# Altium PCB MARLIN.PcbDoc (part 3 of 3)
Units mil, origin at the board's own origin, x right, y up, seen from the top; angles counter-clockwise.
Board outline 6825 x 4695 mil, 2 copper layers (Top Layer, Bottom Layer); 246 components, 209 nets, 796 pads, 202 vias.
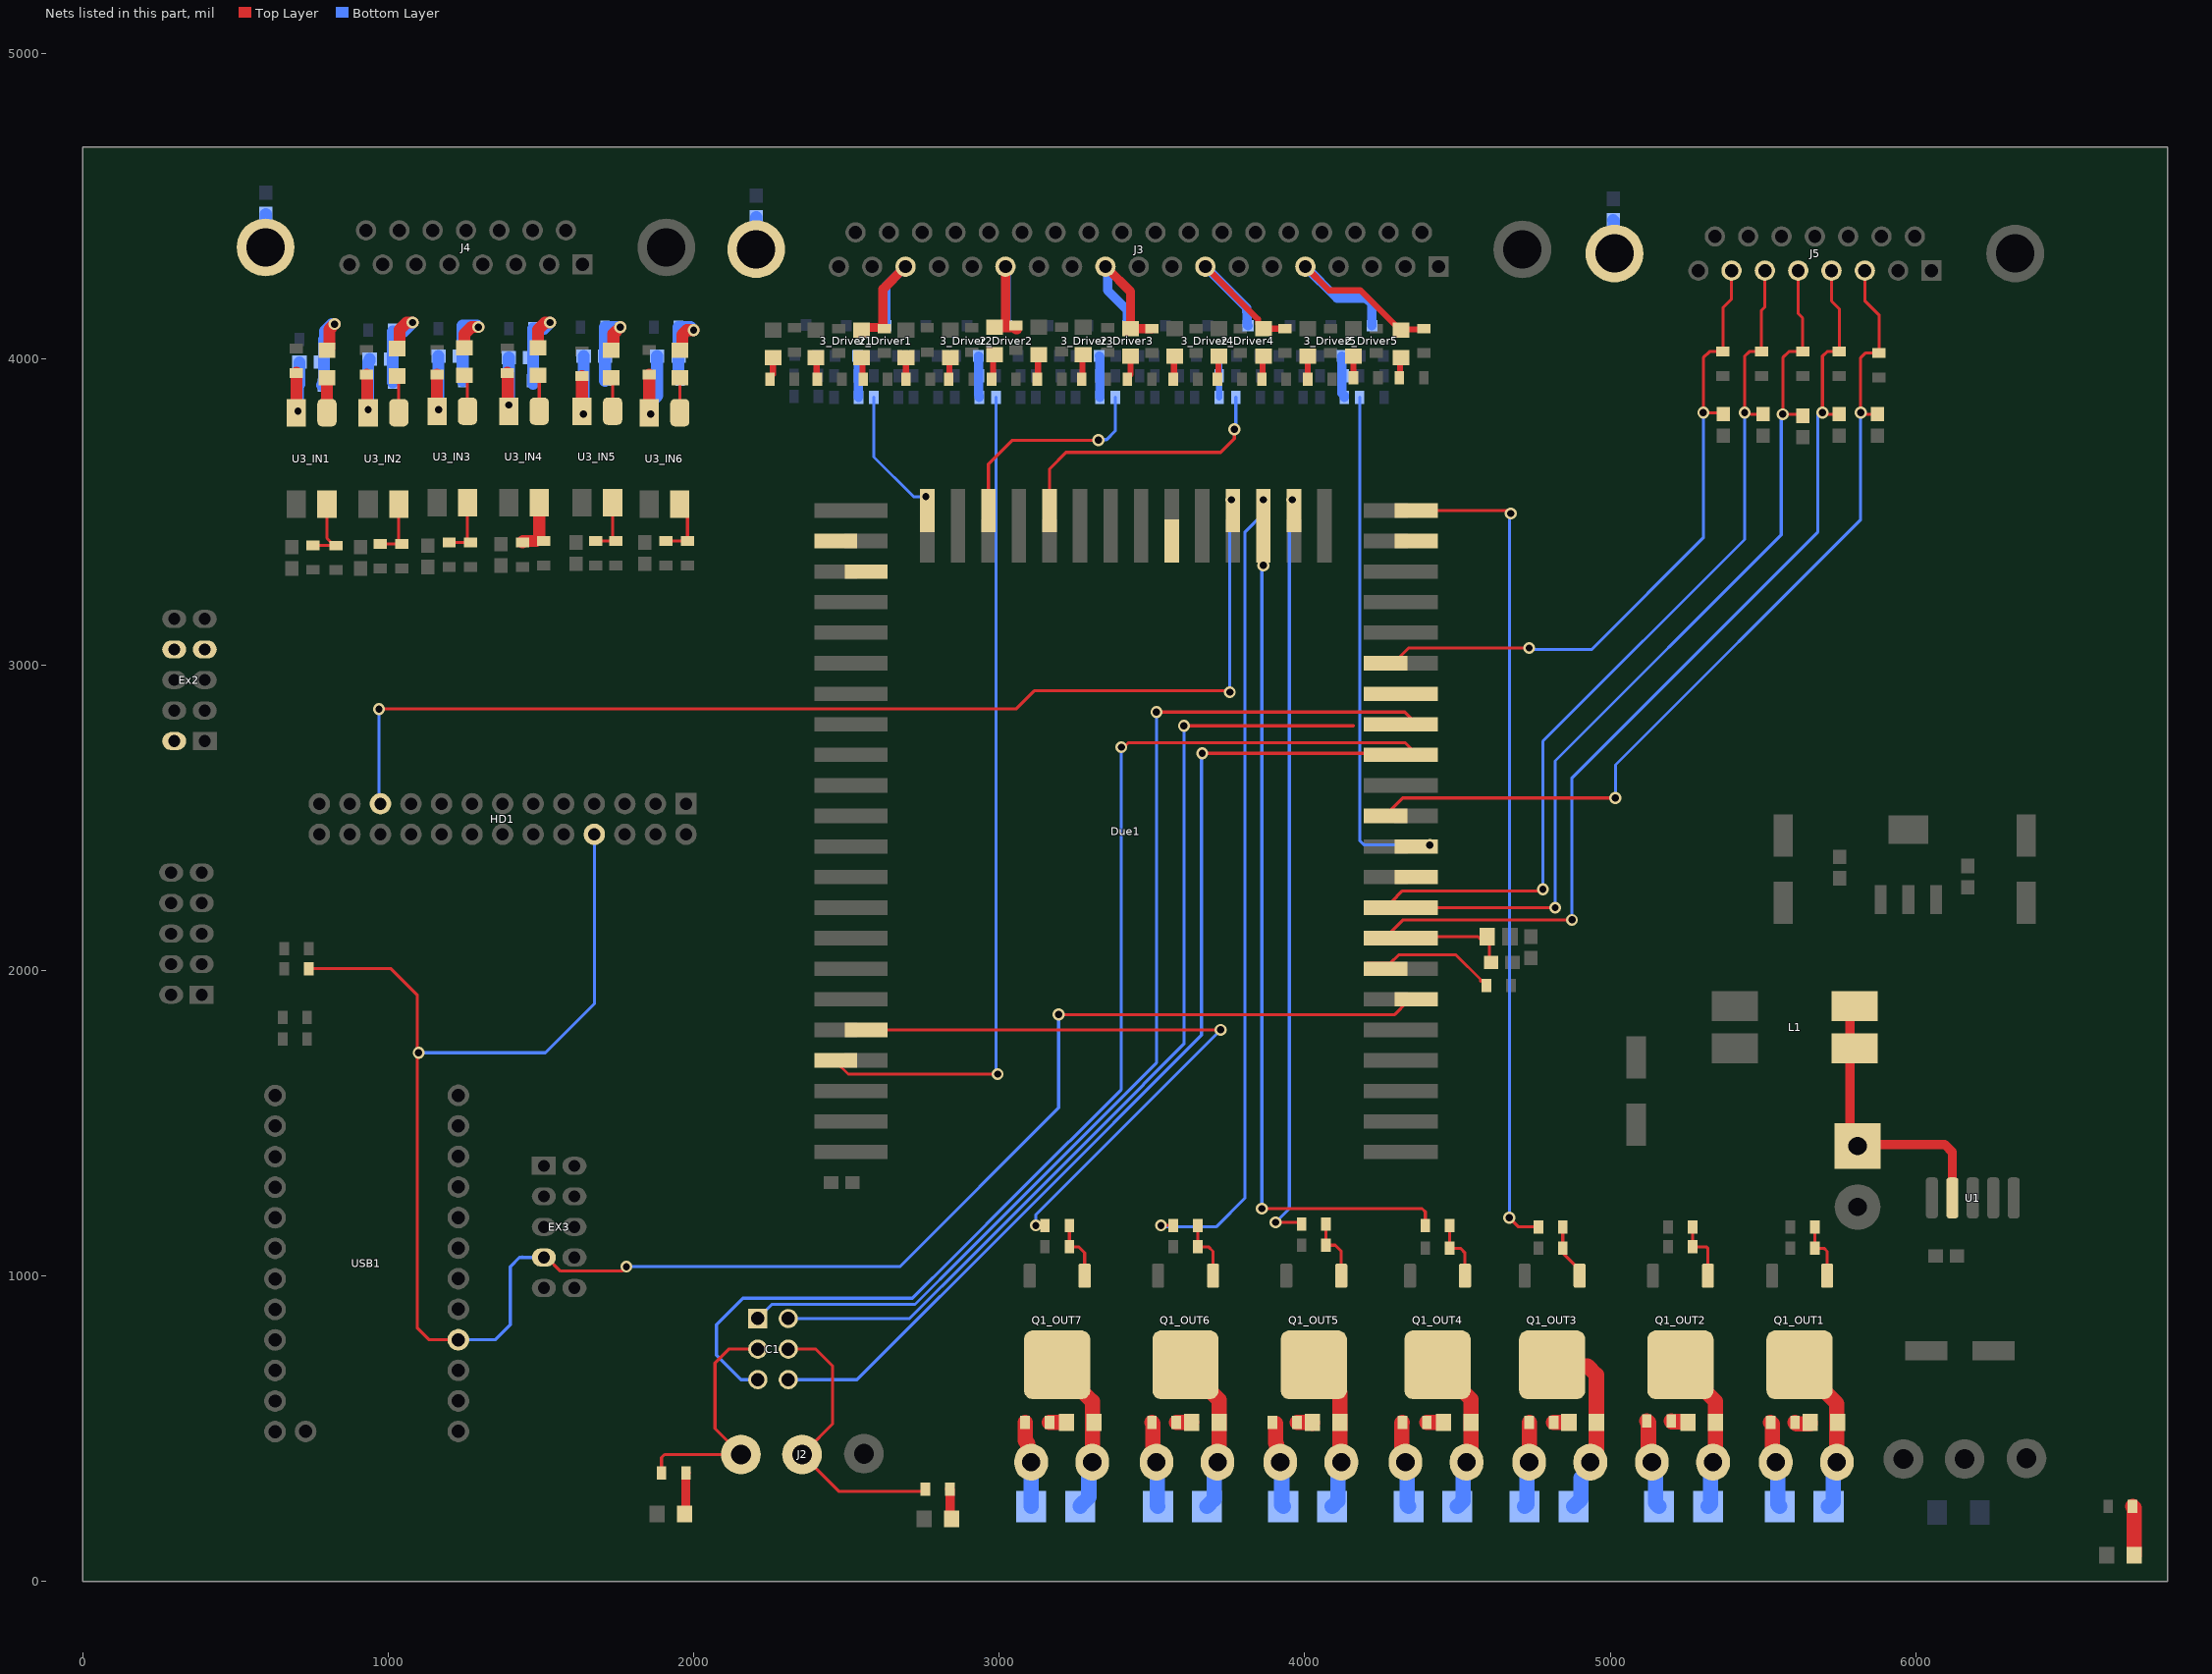
[diagram p3: the nets of this part, all layers, seen from the top]

## Via types
v1: diameter 39.37, hole 23.62, Top Layer to Bottom Layer, 197 vias
v2: diameter 236.22, hole 157.48, Top Layer to Bottom Layer, tented both sides, 4 vias
v3: diameter 50, hole 28, Top Layer to Bottom Layer, 1 vias

## Nets (pads, with @x,y where several pads share a name; then routed paths per layer and width w, separated by ;. In a path a pad name is that pad's centre, name@x,y a point inside that pad or via, vN(x,y) a via of type N, cw(c..) or ccw(c..) an arc to the next point about the centre after c; other vN are vias at no path point) (continued)
Net3_Driver1_G: 3_Driver1.G R32_Driver1.1 R38_Driver1.2 | length 136.9
  Bottom Layer w30: 3_Driver1.G@2537.4,4010.79 2539.25,4008.94 2539.25,3875.75 R38_Driver1.2@2540,3875
Net3_Driver2_G: 3_Driver2.G R32_Driver2.1 R38_Driver2.2 | length 136.9
  Bottom Layer w30: 3_Driver2.G@2932.4,4010.79 2932.4,3883.5 2935,3880.91 R38_Driver2.2@2935,3875
Net3_Driver3_G: 3_Driver3.G R32_Driver3.1 R38_Driver3.2 | length 136.9
  Bottom Layer w30: 3_Driver3.G@3327.4,4010.79 3329.25,4008.94 3329.25,3875.75 R38_Driver3.2@3330,3875
Net3_Driver4_G: 3_Driver4.G R32_Driver4.1 R38_Driver4.2 | length 135.8
  Bottom Layer w20: R38_Driver4.2@3720,3875 R32_Driver4.1@3720,3945 3_Driver4.G@3720,4010.79
Net3_Driver5_G: 3_Driver5.G R32_Driver5.1 R38_Driver5.2 | length 138.9
  Bottom Layer w30: 3_Driver5.G@4122.4,4010.79 4122.4,3888.5 4130,3880.91 R38_Driver5.2@4130,3875
NetC7_2: C7.2 Due1.16 FB1.2 | length 284.8
  Top Layer w10: Due1.16@4365,2105 4370,2110 4567.6,2110 FB1.2@4575,2102.6 ; FB1.2@4597.6,2110 4605,2102.6 C7.2@4605,2043.39
NetC12_2: C12.2 J3.39 | length 105
  Bottom Layer w39.37: J3.39@2204.89,4360.08 J3.39@2204.89,4360.08 2204.94,4464.94 C12.2@2205,4465
NetC13_1: C13.1 J4.17 | length 109.4
  Bottom Layer w39.37: J4.17@599.09,4365.98 599.55,4366.44 599.55,4474.55 C13.1@600,4475
NetC14_2: C14.2 J5.17 | length 110.7
  Bottom Layer w39.37: C14.2@5010,4455 5011.97,4453.03 5011.97,4348.11 J5.17@5014.09,4345.98
NetC26_IN1_1: C26_IN1.1 R20_IN1.2 R21_IN1.2 U3_IN1.2 | length 300.3
  Top Layer w39.37: R21_IN1.2@700,3955 U3_IN1.2@700,3825 v1(705,3830)
  Bottom Layer w39.37: v1(705,3830) R20_IN1.2@705,3915 706.97,3915 710,3918.03 C26_IN1.1@710,3990
NetC26_IN1_2: C26_IN1.2 LED5_IN1.1 R19_IN1.2 R20_IN1.1 | length 320.5
  Top Layer w39.37: LED5_IN1.1@799.79,4030 802.29,4030 807.61,4035.31 807.61,4097.61 v1(825,4115)
  Bottom Layer w39.37: R20_IN1.1@785,3915 786.97,3915 790,3918.03 R19_IN1.2@790,4065 791.97,4065 793.94,4066.97 793.94,4091.94 817,4115 v1(825,4115)
NetC26_IN2_1: C26_IN2.1 R20_IN2.2 R21_IN2.2 U3_IN2.2 | length 294.1
  Top Layer w39.37: R21_IN2.2@930,3950 931.97,3948.03 931.97,3828.03 U3_IN2.2@935,3825
  Bottom Layer w39.37: v1(935,3835) R20_IN2.2@935,3925 935,3990 940,3995 C26_IN2.1@940,4000
NetC26_IN2_2: C26_IN2.2 LED5_IN2.1 R19_IN2.2 R20_IN2.1 | length 360.8
  Top Layer w39.37: LED5_IN2.1@1030,4035 1035,4040 1037.5,4040 1037.81,4040.31 1037.81,4096.94 1060.88,4120 v1(1080,4120)
  Bottom Layer w39.37: R20_IN2.1@1015,3925 1015,4090 1050,4090 v1(1080,4120)
NetC26_IN3_1: C26_IN3.1 R20_IN3.2 R21_IN3.2 U3_IN3.2 | length 302.1
  Top Layer w39.37: R21_IN3.2@1160,3950 U3_IN3.2@1160,3830 v1(1165,3835)
  Bottom Layer w39.37: v1(1165,3835) C26_IN3.1@1165,4010
NetC26_IN3_2: C26_IN3.2 LED5_IN3.1 R19_IN3.2 R20_IN3.1 | length 333.3
  Top Layer w39.37: LED5_IN3.1@1250,4037.03 1250,4082.25 1273.06,4105.31 v1(1295.62,4105.31)
  Bottom Layer w39.37: R20_IN3.1@1245,3930 1244.38,3930 1244.38,4109.38 1291.55,4109.38 v1(1295.62,4105.31)
NetC26_IN4_1: C26_IN4.1 R20_IN4.2 R21_IN4.2 U3_IN4.2 | length 260.8
  Top Layer w39.37: R21_IN4.2@1390,3955 1391.97,3953.03 U3_IN4.2@1391.97,3850
  Bottom Layer w39.37: v1(1395,3850) C26_IN4.1@1395,4005
NetC26_IN4_2: C26_IN4.2 LED5_IN4.1 R19_IN4.2 R20_IN4.1 | length 351.8
  Top Layer w39.37: LED5_IN4.1@1490.91,4037.03 1490.91,4096.94 1513.97,4120 v1(1530,4120)
  Bottom Layer w39.37: R20_IN4.1@1475,3920 R19_IN4.2@1475,4100 1510,4100 v1(1530,4120)
NetC26_IN5_1: C26_IN5.1 R20_IN5.2 R21_IN5.2 U3_IN5.2 | length 305
  Top Layer w39.37: U3_IN5.2@1635,3830 R21_IN5.2@1635,3945
  Bottom Layer w39.37: v1(1640,3820) C26_IN5.1@1640,4010
NetC26_IN5_2: C26_IN5.2 LED5_IN5.1 R19_IN5.2 R20_IN5.1 | length 313.9
  Top Layer w39.37: LED5_IN5.1@1730,4030 1732.5,4030 1737.81,4035.31 1737.81,4082.81 v1(1760,4105)
  Bottom Layer w39.37: R20_IN5.1@1710,3930 C26_IN5.2@1710,4010 R19_IN5.2@1710,4105 v1(1760,4105)
NetC26_IN6_1: C26_IN6.1 R20_IN6.2 R21_IN6.2 U3_IN6.2 | length 323.6
  Top Layer w39.37: U3_IN6.2@1855,3825 R21_IN6.2@1855,3950
  Bottom Layer w39.37: v1(1860,3820) 1860,3860 1880.85,3880.85 C26_IN6.1@1880.85,4010
NetC26_IN6_2: C26_IN6.2 LED5_IN6.1 R19_IN6.2 R20_IN6.1 | length 312.1
  Top Layer w39.37: LED5_IN6.1@1955,4030 1957.5,4030 1962.81,4035.31 1962.81,4079.75 1978.06,4095 v1(2000,4095)
  Bottom Layer w39.37: R20_IN6.1@1950,3945 R19_IN6.2@1950,4105 1990,4105 v1(2000,4095)
NetD2_2: D2.2 L1.1 L1.2 U1.2 | length 961.4
  Top Layer w30: L1.2@5800,1882.8 5785,1867.8 5785,1425 5790,1430 6095,1430 6120,1405 U1.2@6120,1255
NetD3_OUT1_1: D3_OUT1.1 J6_OUT1.2 LED4_OUT1.2 Q1_OUT1.2 | length 525.3
  Top Layer w50: Q1_OUT1.2@5620,708.66 5620,703.61 5741.93,581.67 J6_OUT1.2@5741.93,390
  Bottom Layer w50: D3_OUT1.1@5715,245 5730.45,260.45 5730.45,378.52 J6_OUT1.2@5741.93,390
NetD3_OUT1_2: D3_OUT1.2 J6_OUT1.1 R33_OUT1.2 | length 287.4
  Top Layer w50: R33_OUT1.2@5525,520 5530.45,514.55 5530.45,401.48 J6_OUT1.1@5541.93,390
  Bottom Layer w50: J6_OUT1.1@5541.93,390 5548.47,383.47 5548.47,251.53 D3_OUT1.2@5555,245
NetD3_OUT2_1: D3_OUT2.1 J6_OUT2.2 LED4_OUT2.2 Q1_OUT2.2 | length 521.6
  Top Layer w50: Q1_OUT2.2@5230.04,708.66 5230.04,703.61 5345,588.65 LED4_OUT2.2@5345,520 5345,398.26 J6_OUT2.2@5336.74,390
  Bottom Layer w50: D3_OUT2.1@5320,245 5328.37,253.37 5328.37,381.63 J6_OUT2.2@5336.74,390
NetD3_OUT2_2: D3_OUT2.2 J6_OUT2.1 R33_OUT2.2 | length 296.6
  Top Layer w50: R33_OUT2.2@5120,525 5125.25,519.75 5125.25,401.48 J6_OUT2.1@5136.74,390
  Bottom Layer w50: J6_OUT2.1@5136.74,390 5148.22,378.52 5148.22,256.78 D3_OUT2.2@5160,245
NetD3_OUT3_1: D3_OUT3.1 J6_OUT3.2 LED4_OUT3.2 Q1_OUT3.2 | length 620.4
  Top Layer w50: Q1_OUT3.2@4810,708.66 4813.66,705 4925.71,705 4955,675.71 LED4_OUT3.2@4955,520 4955,431.24 4935,411.24 J6_OUT3.2@4935,390
  Bottom Layer w50: D3_OUT3.1@4880,245 4904.21,269.21 4904.21,337.98 4935,368.76 J6_OUT3.2@4935,390
NetD3_OUT3_2: D3_OUT3.2 J6_OUT3.1 R33_OUT3.2 | length 281.2
  Top Layer w50: J6_OUT3.1@4735,390 R33_OUT3.2@4735,520
  Bottom Layer w50: D3_OUT3.2@4720,245 4727.5,252.5 4727.5,382.5 J6_OUT3.1@4735,390
NetD3_OUT4_1: D3_OUT4.1 J6_OUT4.2 LED4_OUT4.2 Q1_OUT4.2 | length 527.9
  Top Layer w50: Q1_OUT4.2@4435,708.66 4435,705 4545,595 LED4_OUT4.2@4545,520 4545,426.24 4530,411.24 J6_OUT4.2@4530,390
  Bottom Layer w50: D3_OUT4.1@4500,245 4518.52,263.52 4518.52,378.52 J6_OUT4.2@4530,390
NetD3_OUT4_2: D3_OUT4.2 J6_OUT4.1 R33_OUT4.2 | length 284.5
  Top Layer w50: R33_OUT4.2@4320,520 4318.52,518.52 4318.52,401.48 J6_OUT4.1@4330,390
  Bottom Layer w50: J6_OUT4.1@4330,390 4335,385 4335,250 D3_OUT4.2@4340,245
NetD3_OUT5_1: D3_OUT5.1 J6_OUT5.2 LED4_OUT5.2 Q1_OUT5.2 | length 513.4
  Top Layer w50: Q1_OUT5.2@4030,708.66 4030,703.61 4115,618.61 LED4_OUT5.2@4115,520 4115,395 J6_OUT5.2@4120,390
  Bottom Layer w50: D3_OUT5.1@4090,245 4108.52,263.52 4108.52,378.52 J6_OUT5.2@4120,390
NetD3_OUT5_2: D3_OUT5.2 J6_OUT5.1 R33_OUT5.2 | length 281.9
  Top Layer w50: R33_OUT5.2@3905,516.55 3905,452.43 3908.52,448.91 3908.52,401.48 J6_OUT5.1@3920,390
  Bottom Layer w50: J6_OUT5.1@3920,390 3925,385 3925,250 D3_OUT5.2@3930,245
NetD3_OUT6_1: D3_OUT6.1 J6_OUT6.2 LED4_OUT6.2 Q1_OUT6.2 | length 525.8
  Top Layer w50: Q1_OUT6.2@3610,708.66 3610,703.61 3720,593.61 LED4_OUT6.2@3720,520 3720,395 J6_OUT6.2@3715,390
  Bottom Layer w50: D3_OUT6.1@3680,245 3703.52,268.52 3703.52,378.52 J6_OUT6.2@3715,390
NetD3_OUT6_2: D3_OUT6.2 J6_OUT6.1 R33_OUT6.2 | length 283.3
  Top Layer w50: R33_OUT6.2@3500,520 3503.52,516.48 3503.52,401.48 J6_OUT6.1@3515,390
  Bottom Layer w50: J6_OUT6.1@3515,390 3517.5,387.5 3517.5,247.5 D3_OUT6.2@3520,245
NetD3_OUT7_1: D3_OUT7.1 J6_OUT7.2 LED4_OUT7.2 Q1_OUT7.2 | length 527.9
  Top Layer w50: Q1_OUT7.2@3189.96,708.66 3189.96,703.61 3305,588.57 J6_OUT7.2@3305,390
  Bottom Layer w50: D3_OUT7.1@3265,245 3265,246.97 3293.52,275.49 3293.52,378.52 J6_OUT7.2@3305,390
NetD3_OUT7_2: D3_OUT7.2 J6_OUT7.1 R33_OUT7.2 | length 283.3
  Top Layer w50: R33_OUT7.2@3085,520 3085,460 3093.52,451.48 3093.52,401.48 J6_OUT7.1@3105,390
  Bottom Layer w50: D3_OUT7.2@3105,245 J6_OUT7.1@3105,390
NetDue1_13: Due1.13 R1.1 | length 488.3
  Top Layer w10: Due1.13@4265,2005 4223.62,2005 4205,2023.62 4280.87,2023.62 4307.24,2050 4495.57,2050 4575.57,1970 4575.57,1964.09
NetIC2_3: 
NetIC2_6: 
NetIC2_8: 
NetLED1_Driver1_1: LED1_Driver1.1 R9_Driver1.2 | length 74.1
  Top Layer w20: R9_Driver1.2@2250,3935 2250,3940.91 2260,3950.91 LED1_Driver1.1@2260,4005
NetLED1_Driver2_1: LED1_Driver2.1 R9_Driver2.2 | length 70
  Top Layer w20: R9_Driver2.2@2695,3935 LED1_Driver2.1@2695,4005
NetLED1_Driver3_1: LED1_Driver3.1 R9_Driver3.2 | length 82.1
  Top Layer w20: R9_Driver3.2@3125,3935 3127.5,3937.5 3127.5,4012.5 LED1_Driver3.1@3130,4015
NetLED1_Driver4_1: LED1_Driver4.1 R9_Driver4.2 | length 77.1
  Top Layer w20: R9_Driver4.2@3570,3935 3572.5,3937.5 3572.5,4007.5 LED1_Driver4.1@3575,4010
NetLED1_Driver5_1: LED1_Driver5.1 R9_Driver5.2 | length 75
  Top Layer w20: R9_Driver5.2@4010,3935 LED1_Driver5.1@4010,4010
NetLED2_2: LED2.2 R2.2 | length 99.9
  Top Layer w30: R2.2@2838.44,302.15 2839.19,301.4 2839.19,210.81 LED2.2@2845,205
NetLED3_2: LED3.2 R3.2 | length 137.1
  Top Layer w30: LED3.2@1970,220 1974.25,224.25 1974.25,354.25 R3.2@1975,355
NetLED4_OUT1_1: LED4_OUT1.1 R33_OUT1.1 | length 57.1
  Top Layer w50: R33_OUT1.1@5605,520 5610,515 5655,515 LED4_OUT1.1@5655,520
NetLED4_OUT2_1: LED4_OUT2.1 R33_OUT2.1 | length 58.5
  Top Layer w50: R33_OUT2.1@5200,525 5202.5,522.5 5255,522.5 LED4_OUT2.1@5255,520
NetLED4_OUT3_1: LED4_OUT3.1 R33_OUT3.1 | length 50
  Top Layer w50: R33_OUT3.1@4815,520 LED4_OUT3.1@4865,520
NetLED4_OUT4_1: LED4_OUT4.1 R33_OUT4.1 | length 55
  Top Layer w50: R33_OUT4.1@4400,520 LED4_OUT4.1@4455,520
NetLED4_OUT5_1: LED4_OUT5.1 R33_OUT5.1 | length 52.5
  Top Layer w50: R33_OUT5.1@3975,520 LED4_OUT5.1@4025,520 LED4_OUT5.1@4025,517.5
NetLED4_OUT6_1: LED4_OUT6.1 R33_OUT6.1 | length 50
  Top Layer w50: R33_OUT6.1@3580,520 LED4_OUT6.1@3630,520
NetLED4_OUT7_1: LED4_OUT7.1 R33_OUT7.1 | length 55
  Top Layer w50: R33_OUT7.1@3165,520 LED4_OUT7.1@3220,520
NetLED5_IN1_2: LED5_IN1.2 U3_IN1.1 | length 115.1
  Top Layer w39.37: LED5_IN1.2@799.79,3940 799.9,3939.9 799.9,3825.1 U3_IN1.1@800,3825
NetLED5_IN2_2: LED5_IN2.2 U3_IN2.1 | length 122.1
  Top Layer w10: LED5_IN2.2@1030,3945 1035,3940 U3_IN2.1@1035,3825
NetLED5_IN3_2: LED5_IN3.2 U3_IN3.1 | length 121.2
  Top Layer w10: LED5_IN3.2@1250,3947.03 1260,3937.03 U3_IN3.1@1260,3830
NetLED5_IN4_2: LED5_IN4.2 U3_IN4.1 | length 118.7
  Top Layer w10: LED5_IN4.2@1490.91,3947.03 1495,3942.94 U3_IN4.1@1495,3830
NetLED5_IN5_2: LED5_IN5.2 U3_IN5.1 | length 112.1
  Top Layer w10: LED5_IN5.2@1730,3940 1735,3935 U3_IN5.1@1735,3830
NetLED5_IN6_2: LED5_IN6.2 U3_IN6.1 | length 115
  Top Layer w10: U3_IN6.1@1955,3825 LED5_IN6.2@1955,3940
NetLED7_1: LED7.1 R39.2 | length 162.1
  Top Layer w50: R39.2@6710,245 6715,240 LED7.1@6715,85
NetLED8_Driver1_1: LED8_Driver1.1 R10_Driver1.2 | length 72.1
  Top Layer w20: LED8_Driver1.1@2550,4005 2552.5,4002.5 2552.5,3937.5 R10_Driver1.2@2555,3935
NetLED8_Driver2_1: LED8_Driver2.1 R10_Driver2.2 | length 84.1
  Top Layer w20: R10_Driver2.2@2975,3935 2980,3940 2980,4010 LED8_Driver2.1@2985,4015
NetLED8_Driver3_1: LED8_Driver3.1 R10_Driver3.2 | length 79.1
  Top Layer w20: R10_Driver3.2@3420,3935 3420,3940.91 3430,3950.91 LED8_Driver3.1@3430,4010
NetLED8_Driver4_1: LED8_Driver4.1 R10_Driver4.2 | length 77.1
  Top Layer w20: R10_Driver4.2@3860,3935 3862.5,3937.5 3862.5,4007.5 LED8_Driver4.1@3865,4010
NetLED8_Driver5_1: LED8_Driver5.1 R10_Driver5.2 | length 67.1
  Top Layer w20: R10_Driver5.2@4310,3940 4312.5,3942.5 4312.5,4002.5 LED8_Driver5.1@4315,4005
NetLED9_Driver1_1: LED9_Driver1.1 R47_Driver1.2 | length 72.1
  Top Layer w20: LED9_Driver1.1@2400,4005 2402.5,4002.5 2402.5,3937.5 R47_Driver1.2@2405,3935
NetLED9_Driver2_1: LED9_Driver2.1 R47_Driver2.2 | length 72.1
  Top Layer w20: R47_Driver2.2@2835,3935 2837.5,3937.5 2837.5,4002.5 LED9_Driver2.1@2840,4005
NetLED9_Driver3_1: LED9_Driver3.1 R47_Driver3.2 | length 82.1
  Top Layer w20: R47_Driver3.2@3270,3935 3272.5,3937.5 3272.5,4012.5 LED9_Driver3.1@3275,4015
NetLED9_Driver4_1: LED9_Driver4.1 R47_Driver4.2 | length 77.1
  Top Layer w20: R47_Driver4.2@3715,3935 3717.5,3937.5 3717.5,4007.5 LED9_Driver4.1@3720,4010
NetLED9_Driver5_1: LED9_Driver5.1 R47_Driver5.2 | length 70
  Top Layer w20: R47_Driver5.2@4160,3940 LED9_Driver5.1@4160,4010
NetQ1_OUT1_1: Q1_OUT1.1 R34_OUT1.2 R35_OUT1.2 | length 198.3
  Top Layer w10: R34_OUT1.2@5670,1160 R35_OUT1.2@5670,1090 5700,1090 5709.96,1080.04 5709.96,1010.08 5715,1005.04 Q1_OUT1.1@5709.96,1000
NetQ1_OUT2_1: Q1_OUT2.1 R34_OUT2.2 R35_OUT2.2 | length 210.7
  Top Layer w10: R34_OUT2.2@5270,1160 R35_OUT2.2@5270,1095 5314.14,1095 5320,1089.14 5320,1010 5325,1005 Q1_OUT2.1@5320,1000
NetQ1_OUT3_1: Q1_OUT3.1 R34_OUT3.2 R35_OUT3.2 | length 182.8
  Top Layer w10: R34_OUT3.2@4845,1160 R35_OUT3.2@4845,1090 4845,1074.65 4899.96,1019.69 Q1_OUT3.1@4899.96,1000
NetQ1_OUT4_1: Q1_OUT4.1 R34_OUT4.2 R35_OUT4.2 | length 210.4
  Top Layer w10: R34_OUT4.2@4475,1165 R35_OUT4.2@4475,1090 4510,1090 4525,1075 4525,1010.04 4530,1005.04 Q1_OUT4.1@4524.96,1000
NetQ1_OUT5_1: Q1_OUT5.1 R34_OUT5.2 R35_OUT5.2 | length 208.3
  Top Layer w10: R34_OUT5.2@4070,1170 R35_OUT5.2@4070,1100 4100,1100 4120,1080 Q1_OUT5.1@4119.96,1000 Q1_OUT5.1@4119.96,1000
NetQ1_OUT6_1: Q1_OUT6.1 R34_OUT6.2 R35_OUT6.2 | length 210.3
  Top Layer w10: R34_OUT6.2@3650,1165 R35_OUT6.2@3650,1095 3685,1095 3699.96,1080.04 3699.96,1009.92 3695,1004.96 Q1_OUT6.1@3699.96,1000
NetQ1_OUT7_1: Q1_OUT7.1 R34_OUT7.2 R35_OUT7.2 | length 203.3
  Top Layer w10: R34_OUT7.2@3230,1165 R35_OUT7.2@3230,1095 3260,1095 3279.92,1075.08 Q1_OUT7.1@3279.92,1000
NetR17_IN1_2: R17_IN1.2 R18_IN1.2 U3_IN1.4 | length 220.5
  Top Layer w10: R18_IN1.2@754.79,3390.85 755.65,3390 R17_IN1.2@824.09,3390 ; U3_IN1.4@800,3525 800,3414.09 R17_IN1.2@824.09,3390 ; R17_IN1.2@830,3390 R17_IN1.2@824.09,3390
NetR17_IN2_2: R17_IN2.2 R18_IN2.2 U3_IN2.4 | length 204.1
  Top Layer w10: R18_IN2.2@975,3395 R17_IN2.2@1045,3395 1035,3405 U3_IN2.4@1035,3525
NetR17_IN3_2: R17_IN3.2 R18_IN3.2 U3_IN3.4 | length 204.1
  Top Layer w10: R18_IN3.2@1200,3400 R17_IN3.2@1270,3400 1260,3410 U3_IN3.4@1260,3530
NetR17_IN4_2: R17_IN4.2 R18_IN4.2 U3_IN4.4 | length 177.4
  Top Layer w39.37: R18_IN4.2@1440,3400 1440,3401.97 1441.97,3403.94 1443.94,3403.94 1445,3405 1485,3405 1495,3415 U3_IN4.4@1495,3530
NetR17_IN5_2: R17_IN5.2 R18_IN5.2 U3_IN5.4 | length 194.1
  Top Layer w10: R18_IN5.2@1680,3405 R17_IN5.2@1745,3405 1735,3415 U3_IN5.4@1735,3530
NetR17_IN6_2: R17_IN6.2 R18_IN6.2 U3_IN6.4 | length 200.4
  Top Layer w10: R18_IN6.2@1910,3405 R17_IN6.2@1980,3405 1980,3500 U3_IN6.4@1955,3525
NetR22_1: 
OUT3: Due1.44 R34_OUT3.1 | length 2728.6
  Top Layer w10: Due1.44@4365,3505 4665,3505 v1(4675,3495) ; v1(4670,1190) 4700,1160 R34_OUT3.1@4765,1160
  Bottom Layer w10: v1(4670,1190) 4670,3490 v1(4675,3495)
OUT4: Due1.111 R34_OUT4.1 | length 2730.9
  Top Layer w10: v1(3860,1220) 4384.47,1220 4395,1209.47 R34_OUT4.1@4395,1165 ; Due1.111@3865,3365 Due1.111@3865,3405
  Bottom Layer w10: v1@3855,3325 3860,3320 v1(3860,1220)
  other v1: 3865,3325
OUT5: Due1.114 R34_OUT5.1 | length 2474.9
  Top Layer w10: v1(3905,1175) 3985,1175 R34_OUT5.1@3990,1170
  Bottom Layer w10: v1(3905,1175) 3950,1220 3950,3495 3954.38,3499.38 3954.38,3501.43 3957.95,3505 3957.95,3537.95 v1(3960,3540)
OUT6: Due1.112 R34_OUT6.1 | length 2676.3
  Top Layer w10: v1(3530,1165) R34_OUT6.1@3570,1165 ; Due1.112@3865,3495 Due1.112@3865,3505
  Bottom Layer w10: v1(3530,1165) 3535,1160 3710,1160 3805,1255 3805,3435 3865,3495 v1(3865,3540)
OUT7: Due1.54 R34_OUT7.1 | length 2083.5
  Top Layer w10: Due1.54@2565,1805 v1(3725,1805) ; v1(3120,1165) R34_OUT7.1@3150,1165
  Bottom Layer w10: v1(3120,1165) 3120,1200 3720,1800 3720,1805 v1(3725,1805)
RST: Ex2.8
RX0: Due1.31
RX_CONTROL: C1.5 J2.2 R2.1 | length 942.9
  Top Layer w10: C1.5@2310,760 2400,760 2455,705 2455,515 2370,430 2370,400 2475,295 2751.29,295 R2.1@2758.44,302.15
RX_LED: Due1.42
RXD0: Due1.84
RXD1: C1.6 Due1.29 | length 3264.6
  Top Layer w10: v1(3605,2800) 4157.87,2800 4158.94,2801.06 4160,2800
  Bottom Layer w10: C1.6@2310,860 2706.57,860 2915,1068.43 3340.94,1494.37 3605,1758.43 v1(3605,2800)
RXD2: C1.4 Due1.27 | length 3345
  Top Layer w10: v1(3665,2710) 4260,2710 Due1.27@4265,2705
  Bottom Layer w10: C1.4@2310,660 2534.85,660 3085.17,1210.31 3662.5,1787.65 3662.5,2707.5 v1(3665,2710)
SCK: Due1.12 EX3.7 HD1.8 R46.2 USB1.4 | length 6754.1
  Top Layer w10: R46.2@740,2005 1010,2005 1095,1920 1095,1625 1095,1420 1095,830 1134.39,790.61 USB1.4@1230,790.61 ; EX3.7@1510,1060 1519.84,1060 1564.37,1015.47 1765.47,1015.47 v1(1780,1030) ; v1(3195,1855) 4295,1855 4334.99,1894.99 4354.99,1894.99 Due1.12@4365,1905
  Bottom Layer w10: v1(1100,1730) 1515,1730 1675,1890 HD1.8@1675,2445 ; USB1.4@1230,790.61 1350.61,790.61 1400,840 1400,1030 1430,1060 1440,1060 ; 1440,1062.81 1440,1060 ; EX3.7@1510,1060 1440,1060 ; v1(1780,1030) 2675,1030 3194.69,1549.69 3194.69,1854.69 v1(3195,1855)
SCK_SD_LCD: Ex2.2
SD_LCD_DE: Ex2.7
STEP1: Due1.90 R37_Driver1.1 | length 418.8
  Bottom Layer w10: R37_Driver1.1@2590,3875 2590,3680 2720,3550 v1(2760,3550)
STEP2: Due1.51 R37_Driver2.1 | length 2767.9
  Top Layer w10: Due1.51@2465,1705 2465,1701.26 2506.26,1660 v1(2995,1660)
  Bottom Layer w10: R37_Driver2.1@2990,3875 2990,1665 v1(2995,1660)
STEP3: Due1.94 R37_Driver3.1 | length 721.5
  Top Layer w10: Due1.94@2965,3505 2965,3656.56 3043.44,3735 v1(3325,3735)
  Bottom Layer w10: v1(3325,3735) 3327.03,3737.03 3352.03,3737.03 3380,3765 R37_Driver3.1@3380,3875
STEP4: Due1.98 R37_Driver4.1 | length 919
  Top Layer w10: Due1.98@3165,3505 3165,3640.95 3219.05,3695 3725,3695 3770,3740 v1(3770,3770.31)
  Bottom Layer w10: v1(3770,3770.31) 3770,3775 3775,3780 R37_Driver4.1@3775,3875
STEP5: Due1.22 R37_Driver5.1 | length 1686.2
  Bottom Layer w10: R37_Driver5.1@4180,3875 4180,2425 4195,2410 v1(4410,2410)
STEP6: Due1.110 HD1.21 | length 3765.8
  Top Layer w10: v1(970,2855) 3055,2855 3114.69,2914.69 3750.31,2914.69 v1(3755,2910) ; Due1.110@3750,3540 v1(3760,3540)
  Bottom Layer w10: v1(970,2855) 970,2550 HD1.21@975,2545 ; v1(3755,2910) 3755,3535 v1(3760,3540)
STEP7: Due1.105
STEP_OUT1: 2_Driver1.D J3.17 LED8_Driver1.2 R41_Driver1.2 | length 523.1
  Top Layer w20: J3.17@2689.29,4298.9 J3.17@2693.58,4303.19
  Top Layer w30: LED8_Driver1.2@2550,4095 2559.25,4104.25 2619.25,4104.25 2620,4105 2620,4229.61 J3.17@2689.29,4298.9
  Bottom Layer w30: 2_Driver1.D@2630,4109.21 2630,4239.61 J3.17@2693.58,4303.19
STEP_OUT2: 2_Driver2.D J3.14 LED8_Driver2.2 R41_Driver2.2 | length 492
  Top Layer w30: LED8_Driver2.2@2985,4105 2987.5,4105 LED8_Driver2.2@2994.72,4112.22 ; J3.14@3015.37,4297.82 J3.14@3020.75,4303.19 3020.75,4123.25 2999.72,4102.22 3059.25,4102.22 R41_Driver2.2@3060,4102.97 ; R41_Driver2.2@3055,4097.03 3059.63,4097.03 R41_Driver2.2@3060.37,4097.78
  Bottom Layer w30: J3.14@3020.75,4303.19 3022.87,4301.06 3022.87,4111.34 2_Driver2.D@3025,4109.21
STEP_OUT3: 2_Driver3.D J3.11 LED8_Driver3.2 R41_Driver3.2 | length 539
  Top Layer w30: J3.11@3348,4303.19 3344,4299.19 3352,4299.19 3430,4221.19 LED8_Driver3.2@3430,4100 R41_Driver3.2@3500,4100
  Bottom Layer w30: J3.11@3348,4303.19 3354.99,4296.2 3354.99,4225.01 3420,4160 2_Driver3.D@3420,4109.21
STEP_OUT4: 2_Driver4.D J3.8 LED8_Driver4.2 R41_Driver4.2 | length 605.3
  Top Layer w20: J3.8@3675.08,4303.19 3847.5,4130.77 3847.5,4115 3862.5,4100 LED8_Driver4.2@3865,4100 R41_Driver4.2@3935,4100
  Bottom Layer w30: J3.8@3675.08,4303.19 3810,4168.27 3810,4155 3812.28,4152.72 3812.28,4111.93 2_Driver4.D@3815,4109.21
STEP_OUT5: 2_Driver5.D J3.5 LED8_Driver5.2 R41_Driver5.2 | length 817.2
  Top Layer w20: J3.5@4001.12,4302.07 J3.5@4002.24,4303.19 4080.43,4225 4182.5,4225 4312.5,4095 LED8_Driver5.2@4315,4095 4317.5,4097.5 4387.5,4097.5 R41_Driver5.2@4390,4100
  Bottom Layer w30: J3.5@4002.24,4303.19 4105.43,4200 4200,4200 4220,4180 2_Driver5.D@4220,4109.21
T0: C18.2 Due1.23 J5.3 R4.2 | length 2944.1
  Top Layer w10: Due1.23@4265,2505 4265,2507.76 4321.19,2563.94 v1(5016.94,2563.94) ; v1(5820,3825.62) 5820,4005 5835,4020 R4.2@5880,4020 5880,4145 5833.58,4191.42 J5.3@5833.58,4290.08 ; v1@5830.86,3820 C18.2@5875,3820
  Bottom Layer w10: v1(5016.94,2563.94) 5017.5,2564.51 5017.5,2672.5 5820,3475 v1@5820,3818.38
T1: C19.2 Due1.15 J5.4 R5.2 | length 3191.8
  Top Layer w10: Due1.15@4265,2105 4265,2107.76 4322.24,2165 v1(4875,2165) ; v1(5695,3825) 5695,4010 5710,4025 R5.2@5750,4025 5750,4165 5724.53,4190.47 J5.4@5724.53,4290.08 ; v1@5705,3820 C19.2@5750,3820
  Bottom Layer w10: v1(4875,2165) 4875,2630 5680,3435 v1@5680,3820
T2: C20.2 Due1.18 J5.5 R6.2 | length 2955
  Top Layer w10: Due1.18@4365,2205 v1(4820,2205) ; v1(5565,3820) 5565,4005 5585,4025 R6.2@5630,4025 5630,4135 5615.47,4149.53 J5.5@5615.47,4290.08 ; 5585,3820 5625,3820 C20.2@5630,3815
  Bottom Layer w10: v1(4820,2205) 4820,2685 5560,3425 5560,3489.21 5560,3815 v1(5565,3820)
T3: C21.2 Due1.17 J5.6 R7.2 | length 2930.9
  Top Layer w10: Due1.17@4265,2205 4265,2207.76 4280.87,2223.62 4283.62,2223.62 4320,2260 4775,2260 v1(4780,2265) ; v1(5440,3825) 5440,4010 5455,4025 R7.2@5495,4025 5495,4160 5506.42,4171.42 J5.6@5506.42,4290.08 ; 5460,3820 C21.2@5500,3820
  Bottom Layer w10: v1(4780,2265) 4780,2750 5440,3410 v1(5440,3825)
T4: C22.2 Due1.33 J5.7 R8.2 | length 2224.6
  Top Layer w10: Due1.33@4265,3005 4270.01,3010.01 4295.01,3010.01 4340,3055 v1(4735,3055) ; C22.2@5370,3820 5365,3825 v1(5305,3825) 5310,3830 5305,3835 5305,4005 5325,4025 R8.2@5369.47,4025 5369.47,4169.47 5397.36,4197.36 J5.7@5397.36,4290.08
  Bottom Layer w10: v1(4735,3055) 4740,3050 4940,3050 5305,3415 v1(5305,3825)
TX0: Due1.32
TX_CONTROL: C1.2 J2.1 R3.1 | length 842.1
  Top Layer w10: R3.1@1895,355 1895,405 1905,415 J2.1@2135,415 ; J2.1@2155,415 J2.1@2135,415 ; C1.2@2210,760 2115,760 2070,715 2070,500 2135,435 J2.1@2135,415
  Bottom Layer w10: J2.1@2155,415 2140,430 J2.1@2155,445
TX_LED: Due1.20
TXD0: Due1.85
TXD1: C1.1 Due1.30 | length 3668
  Top Layer w10: v1(3515,2845) 4327.76,2845 4365,2807.76 Due1.30@4365,2805
  Bottom Layer w10: C1.1@2210,860 2256.5,906.5 2724.78,906.5 2885,1066.72 3515,1696.72 v1(3515,2845)
TXD2: C1.3 Due1.28 | length 4022.1
  Top Layer w10: v1(3400,2730) 3407.95,2730 3422.63,2744.69 4329.58,2744.69 4349.13,2725.14 4349.13,2720.87 Due1.28@4365,2705
  Bottom Layer w10: C1.3@2210,660 2155,660 2075,740 2075,840 2161.5,926.5 2716.5,926.5 2855,1065 3060.31,1270.31 3400,1610 v1(3400,2730)
pads on no net: Due1.1 Due1.2 Due1.3 Due1.5 Due1.6 Due1.7 Due1.8 Due1.9 Due1.10 Due1.21 Due1.36 Due1.37 Due1.43 Due1.47 Due1.48 Due1.49 Due1.50 Due1.53 Due1.55 Due1.56 Due1.67 Due1.68 Due1.69 Due1.70 Due1.71 Due1.72 Due1.73 Due1.74 Due1.75 Due1.76 Due1.77 Due1.78 Due1.79 Due1.89 Due1.99 Due1.102 Due1.109 Ex2.9 J1.2 J3.38 J4.16 J5.1 J5.2 J5.9 J5.16 Q1_OUT1.0 Q1_OUT2.0 Q1_OUT3.0 Q1_OUT4.0 Q1_OUT5.0 Q1_OUT6.0 Q1_OUT7.0 U2.4 USB1.5 USB1.6 USB1.7 USB1.8 USB1.10 USB1.12 USB1.13 USB1.18 USB1.19 USB1.20 USB1.21 USB1.22 USB1.23 USB1.24 USB1.25 USB1.27 USB1.28
copper on no net:
  other v2: 224.64,560.52 6602.16,560.52 6602.16,4145.52 224.64,4150.52

## Polygon pours and split planes (outlines as drawn)
GND on Bottom Layer "GND_L02_P004" (solid, remove dead copper, pour order 4): 61.4,40.21 71.4,50.21 2971.4,50.21 2971.4,1100.21 5526.4,1100.21 5541.4,1115.21 5526.4,1130.21 5526.4,1490.21 6701.4,1490.21 6706.4,1485.21 6741.4,1520.21 6741.4,4615.21 71.4,4615.21 66.4,4620.21
GND on Top Layer "GND_L01_P003" (solid, remove dead copper, pour order 3): 50,45 60,55 2960,55 2960,1105 5515,1105 5530,1120 5515,1135 5515,1495 6690,1495 6695,1490 6730,1525 6730,4620 60,4620 55,4625

## Other copper
Top Layer:
  region net 3.3V: 2060,3985 2155,3985 2155,3830 2060,3830
  region net GND: 6335,975 6340,980 6340,1100 6115,1100 6110,1100 6110,975
  region net GND: 2525,1260 2605,1260 2680,1335 2815,1335 2820,1340 2820,1425 2545,1425 2550,1420 2550,1330 2545,1325 2545,1320 2505,1320
  region net 5V: 1850,1455 1980,1455 1980,1560 1850,1560
  region net GND: 5540,2290 5730,2290 5730,2325 5895,2325 5905,2315 5905,2160 5900,2155 5545,2155 5540,2160
  region net 3.3V: 5960,3770 6040,3770 6040,3930 5960,3930
  region net 3.3V: 5345,2372.5 5737.5,2372.5 5737.5,2347.5 5770,2347.5 5770,2547.5 5345,2547.5
  region net GND: 4034.84,1349.05 4099.84,1349.05 4099.84,1539.05 4034.84,1539.05
  region net GND: 4555,1360 4620,1360 4620,1550 4555,1550
  region net GND: 5605,870 5605,1055 5600,1060 5475,1060 5475,870
  region net GND: 5205,880 5205,1065 5200,1070 5075,1070 5075,880
  region net GND: 4785,870 4785,1055 4780,1060 4655,1060 4655,870
  region net GND: 4415,870 4415,1055 4410,1060 4285,1060 4285,870
  region net GND: 4010,875 4010,1060 4005,1065 3880,1065 3880,875
  region net GND: 3590,875 3590,1060 3585,1065 3460,1065 3460,875
  region: 2980.4,1026.72
  region: 3050,950
  region net GND: 3170,885 3170,1070 3165,1075 3040,1075 3040,885
Bottom Layer:
  region net GND: 5915,355 6010,355 6050,395 6050,770 5870,770 5865,765 5865,350 6055,350 6050,355 6050,415 6040,415 6035,410
  region net GND: 5930,345 5945,360 6025,360
  region net 3.3V: 2060,3985 2155,3985 2155,3830 2060,3830
  region net GND: 5560,1315 5560,1045 5820,1045 5860,1005 5885,1030 5945,1030 5945,1260 5915,1290 5610,1290 5595,1305
  region net GND: 5565,1102.5 6345,1102.5 6345,977.5 5565,977.5
  region net GND: 2505,1265 2610,1265 2680,1335 2815,1335 2820,1340 2820,1425 2545,1425 2550,1420 2550,1330 2545,1325 2545,1320 2505,1320
  region net 5V: 1850,1455 1980,1455 1980,1560 1850,1560
  region net GND: 5540,2290 5730,2290 5730,2325 5895,2325 5905,2315 5905,2160 5900,2155 5545,2155 5540,2160
  region: 5735,2200
  region net 3.3V: 5960,3770 6040,3770 6040,3930 5960,3930
  region net 3.3V: 5345,2372.5 5735,2372.5 5735,2347.5 5770,2347.5 5770,2547.5 5345,2547.5
  region net GND: 4050,1360 4590,1360 4590,1550 4050,1550
  region: 4590,1515
  region net GND: 4555,1360 4620,1360 4620,1550 4555,1550
  region net GND: 5905,360 5905,465 5905,565 3040,565 3040,1065 3165,1065 3165,920 3150,935 3150,1065 6345,1065 6345,755 6025,755 6020,380 6015,375

## Silkscreen, mask and mechanical layers (free items; w line width, h text height)
Top Overlay:
  lines w10: 2920,610 3000,485 ; 2935,495 3000,485 ; 3010,550 3000,485
  lines w70: 1265,2680.38 1485,2680
  text "D5" at 4177.87,3858.6 h60
  text "S5" at 4322.87,3858.6 h60
  text "S1" at 2567.87,3853.6 h60
  text "S2" at 2987.87,3853.6 h60
  text "E3" at 3137.87,3853.6 h60
  text "D3" at 3277.87,3853.6 h60
  text "S3" at 3432.87,3853.6 h60
  text "S4" at 3867.87,3853.6 h60
  text "E5" at 4022.87,3853.6 h60
  text "E1" at 2257.87,3852.87 h60
  text "D1" at 2422.87,3852.87 h60
  text "E2" at 2702.87,3852.87 h60
  text "D2" at 2847.87,3852.87 h60
  text "E4" at 3582.87,3852.87 h60
  text "D4" at 3732.87,3852.87 h60
  text "T4" at 5352.97,3529.54 h60 r270
  text "T3" at 5478.69,3529.54 h60 r270
  text "T2" at 5602.97,3529.54 h60 r270
  text "T1" at 5727.97,3529.54 h60 r270
  text "T0" at 5853.6,3529.54 h60 r270
  text "BED" at 3006.87,690.96 h60 r90
  text "Ex4" at 3436.87,690.96 h60 r90
  text "Ex3" at 3851.15,690.96 h60 r90
  text "Ex2" at 4261.87,690.96 h60 r90
  text "Ex1" at 4645.52,683.63 h60 r90
  text "FAN 2" at 5040.52,678.63 h60 r90
  text "FAN 1" at 5442.13,657.87 h60 r90
  text "VPP | OUT" at 2652.87,634.2 h60
  text "GND  -  x  -  VPP" at 5897.87,523.82 h78.74
Bottom Solder:
  lines w50: 3145,850 5755,855 5840,855 5915,800 5910,560 ; 3150,940 5630,930 5925,925 5980,875 5980,580
Mechanical 1:
  lines w19.68: 0.9,0.52 6825.9,0.52 6825.9,4695.52 0.9,4695.52 0.9,0.52

## Text inside footprints (layer, text, board x,y; h text height)
Due1: Top Overlay "NATIVE  / USB" at 2760,1355 h78.74; Top Overlay "PROGRAMMING / USB" at 3464.3,1355 h78.74
EX1: Top Overlay "1" at 419.53,1810.75 h60 r90; Top Overlay "2" at 300,1785 h60 r90; Top Overlay "9" at 414,2381 h60 r90; Top Overlay "10" at 319,2376 h60 r90
Ex2: Top Overlay "1" at 429.53,2640.75 h60 r90; Top Overlay "2" at 310,2615 h60 r90; Top Overlay "9" at 424,3211 h60 r90; Top Overlay "10" at 329,3206 h60 r90
EX3: Top Overlay "1" at 1480.47,1469.25 h60 r270; Top Overlay "2" at 1600,1495 h60 r270; Top Overlay "9" at 1486,899 h60 r270; Top Overlay "10" at 1581,904 h60 r270
J3: Top Overlay "1" at 4473.02,4160.08 h59.06 r90
J4: Top Overlay "1" at 1680,4185 h59.06 r90
J5: Top Overlay "1" at 6095,4165 h59.06 r90
U1: Top Overlay "1" at 5989.07,1257 h39.37